# Altium PCB DebugBoardSw.PcbDoc (continued)
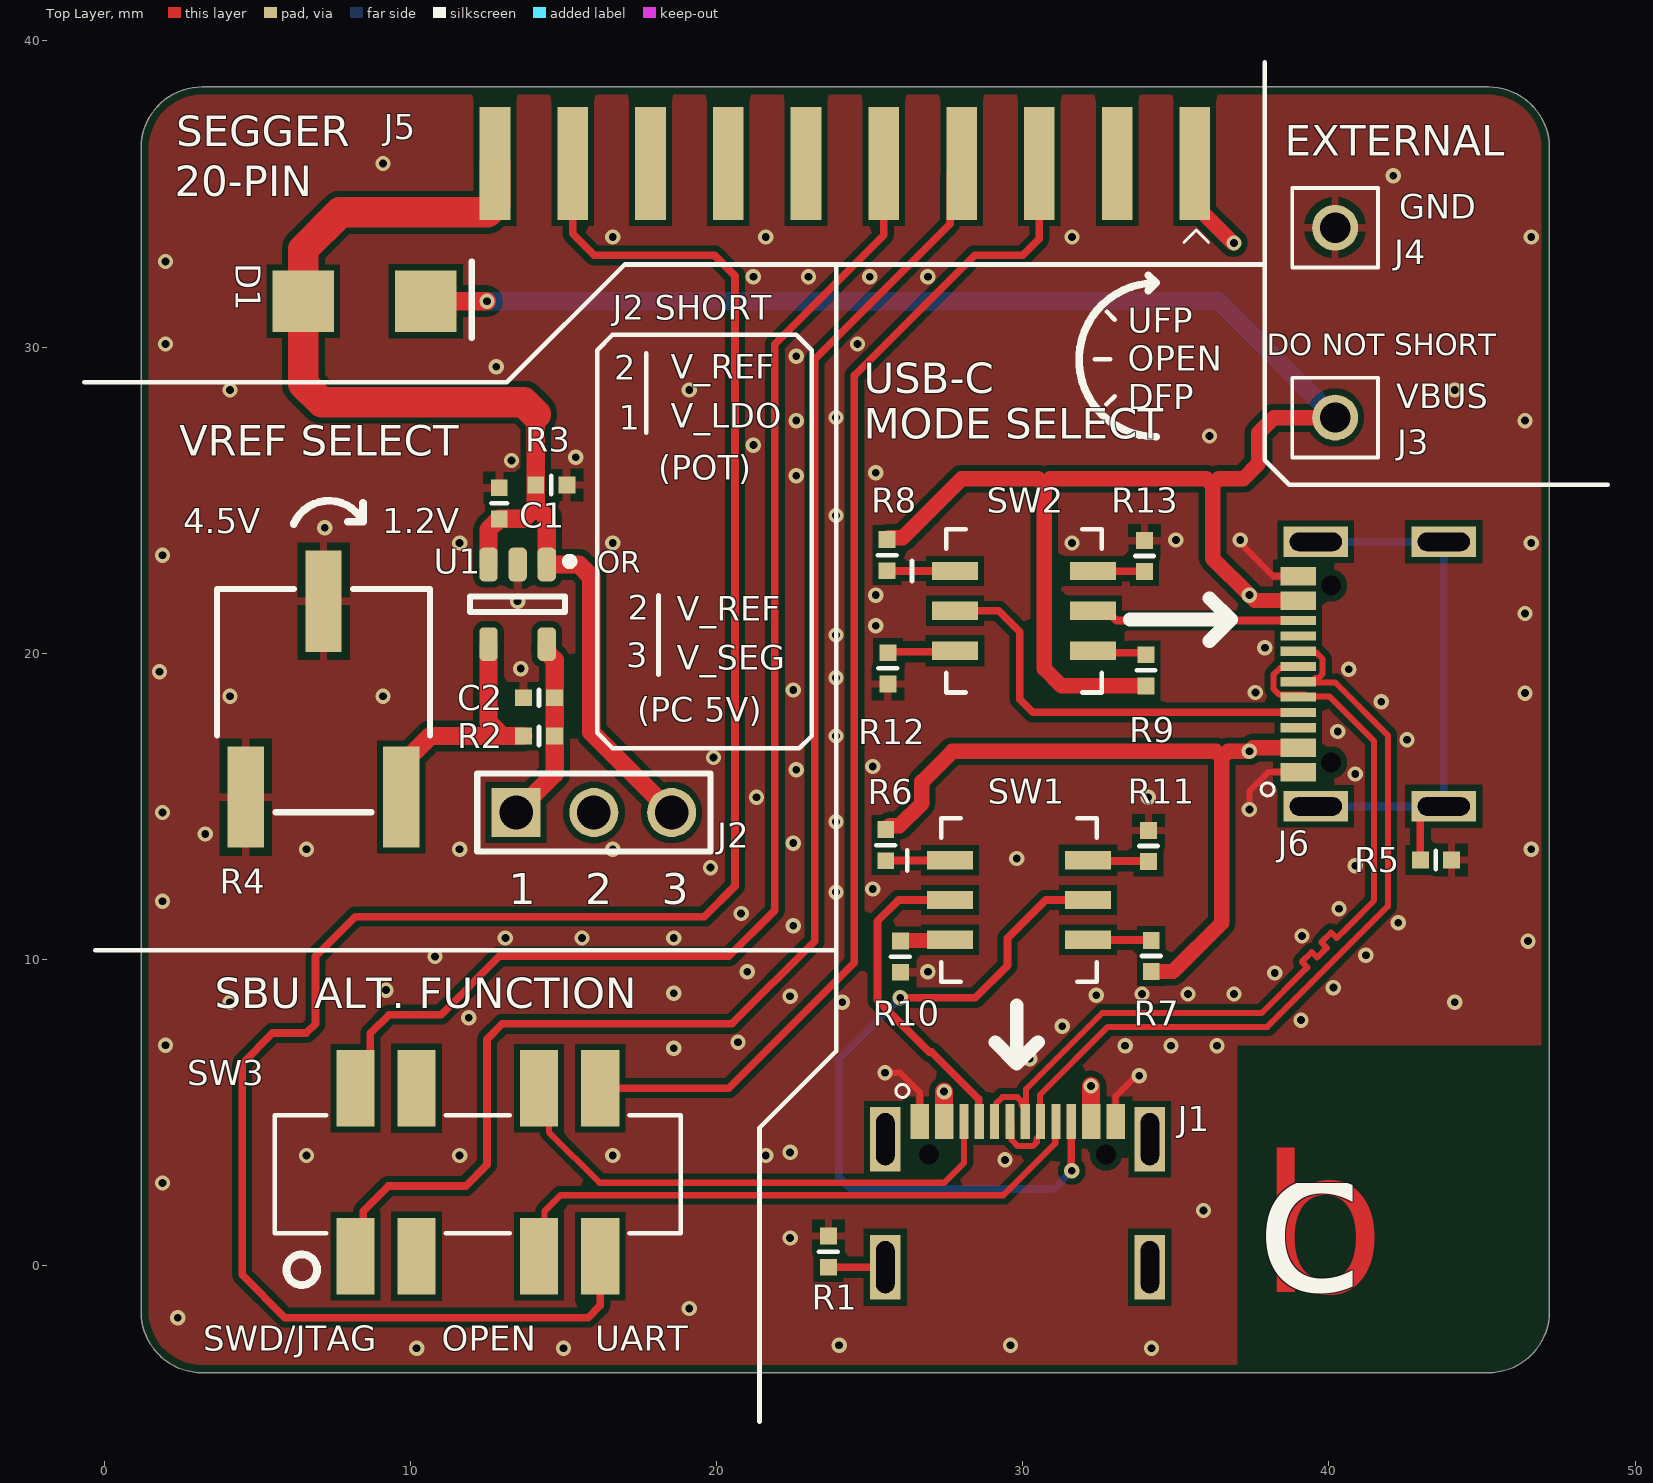
[diagram p0: Top Layer view]
## Footprints (in the part's own frame and the unit in brackets; to place one, negate y for a bottom-side part, rotate by r counter-clockwise, add the part's x,y. Pads: shape width x height; smd on the part's side, far side on the other; paste and mask are expansions set on the pad)
3361P-1-104GLF [mm]
  rect 1.19x3.3 smd paste+0 mask+0: 1(-2.54,-3.2) 2(0,3.2) 3(2.54,-3.2)
  silkscreen extent -3.48,-3.69 3.48,3.6, body extent -3.58,-4.95 3.58,4.95, height 0.25
CAP-0402 [mm]
  rect 0.55x0.55 smd: 1(-0.508,0) 2(0.508,0)
  silkscreen extent 0,-0.25 0,0.25, body extent -0.5,-0.25 0.5,0.25, height 0.5
CONN-USBC-GCT_USB4105 [mm]
  rect 0.6x1.15 smd: A1(-3.2,0) A4(-2.4,0) A9(2.4,0) A12(3.2,0)
  rect 0.3x1.15 smd: A5(-1.25,0) A6(-0.25,0) A7(0.25,0) A8(1.25,0) B5(1.75,0) B6(0.75,0) B7(-0.75,0) B8(-1.75,0)
  rect 1x2.1 hole 0.6 slot 1.7 at 90 deg: ME(-4.32,-4.755) ME(-4.32,-0.575) ME(4.32,-4.755) ME(4.32,-0.575)
  round 0.4 hole 0.65 unplated: ""(-2.89,-1.075) ""(2.89,-1.075)
  silkscreen extent -3.97,0.79 -3.55,1.21, body extent -4.47,-7.35 4.47,0.35, height 3.26
DIODE-SMA2 [mm] "Used for DIODE-ZNR-51V-SMA2"
  rect 2x2 smd: 1(-2,0) 2(2,0)
  silkscreen extent -3.5,-1.3 -3.5,1.21, body extent -2.61,-1.3 2.61,1.3, height 2.2
HDR-V-1X1-M [mm]
  round 1.5 hole 0.99: 1(0,0)
  silkscreen extent -1.4,-1.3 1.4,1.3, body extent -1.27,-1.24 1.27,1.24, height 12.7
HDR-V-1X3 [mm]
  rect 1.6x1.6 hole 1.1: 1(-2.54,0)
  round 1.6 hole 1.1: 2(0,0) 3(2.54,0)
  silkscreen extent -3.81,-1.27 3.81,1.27, body extent -3.81,-1.27 3.81,1.27, height 8.55
HDR-V-2X10-F-2.54MM [mm]
  rect 1x3.7 smd: 1(11.43,-1) 3(8.89,-1) 5(6.35,-1) 7(3.81,-1) 9(1.27,-1) 11(-1.27,-1) 13(-3.81,-1) 15(-6.35,-1) 17(-8.89,-1) 19(-11.43,-1)
  rect 1x3.7 smd far side: 2(11.43,-1) 4(8.89,-1) 6(6.35,-1) 8(3.81,-1) 10(1.27,-1) 12(-1.27,-1) 14(-3.81,-1) 16(-6.35,-1) 18(-8.89,-1) 20(-11.43,-1)
  silkscreen extent 11.08,-3.58 11.88,-3.18, body extent -15.16,-1.8 15.16,9.9, height 3.04
RES-0402 [mm]
  rect 0.55x0.55 smd: 1(-0.508,0) 2(0.508,0)
  silkscreen extent 0,-0.3 0,0.3, body extent -0.58,-0.27 0.57,0.27, height 0.41
SOT-23-5 [mm] "SOT23-5, 5pin, 3mm x 3mm, 0.95 pitch"
  rrect50% 1.1x0.6 smd: 1(-1.3,0.95) 2(-1.3,0) 3(-1.3,-0.95) 4(1.3,-0.95) 5(1.3,0.95)
  silkscreen extent -1.52,-1.55 0.25,1.83, body extent -1.23,-1.5 1.27,1.5, height 1.1
SW-2P3T-SMD [mm]
  rect 2.5x1.245 smd paste+0 mask+0: 1(-0.068,0) 2(-0.068,-2) 3(-0.068,-6) 4(-0.068,-8) 5(5.432,0) 6(5.432,-2) 7(5.432,-6) 8(5.432,-8)
  silkscreen extent -1,-10.63 4.55,2.63, body extent -1.05,-10.5 6.45,2.5, height 5.51
SW-BCD-CS-4-22YTA [mm] "DPDT Rotary Switch"
  rect 1.5x0.6 smd: 1(-2.25,1.3) 2(-2.25,0) 3(-2.25,-1.3) 4(2.25,1.3) 5(2.25,0) 6(2.25,-1.3)
  silkscreen extent -3.66,-2.67 2.54,2.67, body extent -2.6,-2.5 2.6,2.5, height 2.32

## Part data
C1 C2: library part CAP-1uF-10V-0402, "AVX - 0402ZD105KAT2A - SMD Multilayer Ceramic Capacitor, 1 µF, 10 V, 0402 [1005 Metric], ± 10%, X5R, AVX 0402 MLCC", Capacitance=1uF, Case Code (Imperial)=0402, Case Code (Metric)=1005, Dielectric=X5R, Dielectric Material=Ceramic, Manufacturer 1="Kyocera AVX", Max Operating Temperature=85°C, Min Operating Temperature=-55°C, Package Quantity=1, Supplier Part Number 1=478-4596-1-ND, Tolerance=10%, Voltage=10V, Case/Package=0402, Category="Ceramic Capacitors", ComponentLink1Description=https://datasheet.ciiva.com/151/cx5r-151901.pdf?src-supplier=Digi-Key, ComponentLink1URL=https://datasheet.ciiva.com/151/cx5r-151901.pdf?src-supplier=Digi-Key, ComponentLink2Description=https://datasheet.ciiva.com/151/cx5r-151902.pdf?src-supplier=Digi-Key, ComponentLink2URL=https://datasheet.ciiva.com/151/cx5r-151902.pdf?src-supplier=Digi-Key, ComponentLink3Description=https://datasheet.ciiva.com/151/cx5r-151903.pdf?src-supplier=Digi-Key, ComponentLink3URL=https://datasheet.ciiva.com/151/cx5r-151903.pdf?src-supplier=Digi-Key, ComponentLink4Description=https://datasheet.ciiva.com/11464/cx5r-11464568.pdf?src-supplier=Avnet, ComponentLink4URL=https://datasheet.ciiva.com/11464/cx5r-11464568.pdf?src-supplier=Avnet, ComponentLink5Description=https://datasheet.ciiva.com/6159/lt-6159749.pdf?src-supplier=Farnell, ComponentLink5URL=https://datasheet.ciiva.com/6159/lt-6159749.pdf?src-supplier=Farnell, ComponentLink6Description=https://datasheet.ciiva.com/1124/1666675-1124066.pdf?src-supplier=Element14, ComponentLink6URL=https://datasheet.ciiva.com/1124/1666675-1124066.pdf?src-supplier=Element14, ComponentLink7Description=https://datasheet.ciiva.com/1124/1666675-1124067.pdf?src-supplier=Element14, ComponentLink7URL=https://datasheet.ciiva.com/1124/1666675-1124067.pdf?src-supplier=Element14, ComponentLink8Description=https://datasheet.ciiva.com/16448/cx5r-16448997.pdf?src-supplier=Future+Electronics, ComponentLink8URL=https://datasheet.ciiva.com/16448/cx5r-16448997.pdf?src-supplier=Future+Electronics, Construction=Flat, Contact Plating=Tin,Matte, Depth=0.5mm, Height=0.56mm, Lead Free="Lead Free", Lead Pitch=5.08mm, Length=1mm, Manufacturer Part Number 1=0402ZD105KAT2A, Mount="Surface Mount", Packaging="Cut Tape", Pricing 1="1=0.12000, 10=0.08800, 50=0.05000, 100=0.04140, 500=0.02900, 1000=0.02401, 2500=0.02235, 5000=0.02045 (USD)", Radiation Hardening=No, REACH SVHC="No SVHC", RoHS=Yes, RoHS Compliant=Yes, Series=-, Stock 1=2474650, Supplier 1=Digi-Key, Termination=SMD/SMT, Thickness=0.022inch, Voltage Rating=10V, Voltage Rating (DC)=10V, Width=0.02inch
D1: library part DIODE-ZNR-51V-SMA2, "Zener Diode 51 V 1.5 W ±5% Surface Mount SMA", Current - Reverse Leakage @ Vr="500 nA @ 38.8V", Forward Voltage="1.2V @ 200 mA", Manufacturer 1=onsemi, Zener Voltage=51V, Category=Zener, ComponentLink1Description="Supplier Link", ComponentLink1URL=https://www.digikey.com/en/products/detail/onsemi/1SMA5942BT3G/1474755, ComponentLink2Description=Datasheet, ComponentLink2URL=https://www.onsemi.com/pdf/datasheet/1sma5913bt3-d.pdf, Impedance (Max)="70 Ohms", Manufacturer Part Number 1=1SMA5942BT3G, Supplier=Digi-Key
J1 J6: library part CONN-F-USB-C-GCT_USB4105, "Usb Conn, 2.0 Type C, Rcpt, 16Pos, Smt Rohs Compliant: Yes", Manufacturer 1="Global Connector Technology", Manufacturer Part Number 1=USB4105-GF-A, Supplier Part Number 1=86AH2021, Pricing 1="1=0.85100, 10=0.69300, 25=0.63100, 50=0.58700, 100=0.54000 (USD)", RoHS=No, Stock 1=1960, Supplier 1=Newark
J2: library part HDR-V-1X3-M, "Header, 3-Pin, 0.1\"", Colour=Black, Manufacturer="Wurth Electronics", Supplier Part Number 1=732-5316-ND, ComponentLink1Description=http://www.farnell.com/cad/1737268.pdf, ComponentLink1URL=http://www.farnell.com/cad/1737268.pdf, ComponentLink2Description=http://katalog.we-online.de/em/datasheet/6130xx11121.pdf, ComponentLink2URL=http://katalog.we-online.de/em/datasheet/6130xx11121.pdf, Connector Type="Male Pin", Contact Material=Copper, Contact Mating Length=0.236inch, Contact Plating=Gold, Gender=Male, LatestRevisionDate=17-Jul-2002, LatestRevisionNote="Re-released for DXP Platform.", Lead Free="Lead Free", Manufacturer 1="Wurth Electronics", Manufacturer Part Number 1=61300311121, Mount="Through Hole", MPN=61300311121, Number of Contacts=3, Number of Positions=3, Number of Rows=1, Packaging=Bulk, Pitch=0.1inch, Pricing 1="1=0.13, 10=0.106, 25=0.088, 50=0.074, 100=0.067, 1000=0.061 (USD)", Publisher="Altium Limited", REACH SVHC=Unknown, Stock 1=41782, Supplier 1=Digi-Key, Termination=Solder
J3 J4: library part HDR-V-1X1-M, "BergStik®, Board to Board connector, Unshrouded vertical header, through hole, single Row, 1 position, 2.54mm pitch", Color=Black, Current Rating=3A, Insulation Resistance=5GR, Manufacturer 1="Amphenol ICC / FCI", Package Quantity=1000, Supplier Part Number 1=649-75160-101-01LF, Voltage Rating=1.5kV, Category=Connectors, ComponentLink1Description=https://datasheet.ciiva.com/29149/75160-29149349.pdf?src-supplier=Digi-Key, ComponentLink1URL=https://datasheet.ciiva.com/29149/75160-29149349.pdf?src-supplier=Digi-Key, Connector Type="Male Pin", Contact Gender=Male, Contact Material=Bronze, Contact Mating Length=0.225inch, Contact Plating=Gold,GXT, Contact Post Length=2.54mm, Contact Type="Male Pin", Depth=2.8mm, Gender=Male, Housing Color=Black, Housing Material=Thermoplastic, Length=2.54mm, Manufacturer Part Number 1=75160-101-01LF, Mounting Technology="Through Hole", Number of Contacts=1, Number of Positions=1, Number of Rows=1, Orientation=Straight, Packaging=Bulk, Pitch=2.54mm, Pricing 1="1=0.36000, 10=0.27000, 50=0.27000, 100=0.21400, 1000=0.16800, 10000=0.12900 (USD)", Radiation Hardening=No, RoHS=Yes, Series="BERGSTIK®, MezzSelect™, Basics+", Stock 1=4529, Supplier 1=Mouser, Termination=Solder
J5: library part HDR-V-2X10-F-2.54MM, "20 Position Header Connector 0.100\" (2.54mm) Through Hole Gold", Color=Black, Manufacturer 1=Sullins, Package Quantity=1, Supplier Part Number 1=S9197-ND, Category="Headers and Wire Housings", ComponentLink1Description=https://datasheet.ciiva.com/754/sfh11-pxxc-dxx-st-xx11160-c-754558.pdf?src-supplier=Digi-Key, ComponentLink1URL=https://datasheet.ciiva.com/754/sfh11-pxxc-dxx-st-xx11160-c-754558.pdf?src-supplier=Digi-Key, Connector Type=Header, Contact Plating=Gold, Contact Type="Female Socket", Lead Free="Lead Free", Manufacturer Part Number 1=SFH11-PBPC-D10-ST-BK, Mount="Through Hole", Number of Positions=20, Number of Rows=2, Packaging=Tray, Pitch=0.1inch, Pricing 1="1=1.15000, 10=0.96800, 80=0.86925, 440=0.71118, 1000=0.63216, 5000=0.57070 (USD)", RoHS=Yes, RoHS Compliant=Yes, Row Spacing=0.1inch, Series=SFH11, Stock 1=51703, Supplier 1=Digi-Key, Termination=Solder
R1 R5: library part RES-0-0402, "RES 0 OHM JUMPER 1/16W 0402", Manufacturer=Yageo, Max Operating Temperature=155°C, Min Operating Temperature=-55°C, Package Shape=Rectangular, Rated Power Dissipation (P)=62.5mW, Rated Temperature=70°C, Resistance=0R, Resistor Type="FIXED RESISTOR", Supplier Part Number 1=311-0.0LRTR-ND, Tolerance=Jumper, Category="Chip SMD Resistors", ComponentLink1Description=https://datasheet.ciiva.com:443/pdfs/VipMasterIC/IC/YAGO/YAGOS02562/YAGOS02562-1.pdf?src-supplier=IHS+Markit, ComponentLink1URL=https://datasheet.ciiva.com:443/pdfs/VipMasterIC/IC/YAGO/YAGOS02562/YAGOS02562-1.pdf?src-supplier=IHS+Markit, ComponentLink2Description=https://datasheet.ciiva.com/8896/pyu-rc0402-51-rohs-l-6-8896149.pdf?src-supplier=Avnet, ComponentLink2URL=https://datasheet.ciiva.com/8896/pyu-rc0402-51-rohs-l-6-8896149.pdf?src-supplier=Avnet, ComponentLink3Description=https://datasheet.ciiva.com/16790/pyu-rc0402-51-rohs-l-6-r-16790444.pdf?src-supplier=Future+Electronics, ComponentLink3URL=https://datasheet.ciiva.com/16790/pyu-rc0402-51-rohs-l-6-r-16790444.pdf?src-supplier=Future+Electronics, ComponentLink4Description=https://datasheet.ciiva.com/28419/pyu-rc0402-51-rohs-l-6-28419661.pdf?src-supplier=Avnet+Europe, ComponentLink4URL=https://datasheet.ciiva.com/28419/pyu-rc0402-51-rohs-l-6-28419661.pdf?src-supplier=Avnet+Europe, ComponentLink5Description=https://datasheet.ciiva.com/16869/pyu-rc0402-51-rohs-l-6-16869518.pdf?src-supplier=Avnet+Europe, ComponentLink5URL=https://datasheet.ciiva.com/16869/pyu-rc0402-51-rohs-l-6-16869518.pdf?src-supplier=Avnet+Europe, JESD-609 Code=e3, Manufacturer 1=Yageo, Manufacturer Part Number=RC0402FR-070RL, Manufacturer Part Number 1=RC0402FR-070RL, Manufacturer_PN=RC0402FR-070RL, Mount="Surface Mount", Number of Pins=2, Packaging="Tape and Reel", Pricing 1="10000=0.00132, 30000=0.00116, 50000=0.00109 (USD)", REACH SVHC=Yes, RoHS=Yes, RoHS Compliant=Yes, Size Code=0402, Stock 1=2669862, Supplier 1=Digi-Key, Technology="METAL GLAZE/THICK FILM", Terminal Finish=Nickel, Termination=Wraparound
R2: library part RES-10K-0402, "RES SMD 10K OHM 1% 1/16W 0402", Case Code (Imperial)=0402, Case Code (Metric)=1005, Manufacturer 1=Yageo, Max Operating Temperature=155°C, Min Operating Temperature=-55°C, Power Rating=62.5mW, Resistance=10kR, Supplier Part Number 1=311-10.0KLRCT-ND, Temperature Coefficient=100ppm/°C, Tolerance=±1%, Voltage Rating=50V, Case/Package=0402, ComponentLink1Description=https://datasheet.ciiva.com/7660/38568-7660787.pdf?src-supplier=Element14, ComponentLink1URL=https://datasheet.ciiva.com/7660/38568-7660787.pdf?src-supplier=Element14, ComponentLink2Description=https://datasheet.ciiva.com/7849/1784430-7849813.pdf?src-supplier=Element14, ComponentLink2URL=https://datasheet.ciiva.com/7849/1784430-7849813.pdf?src-supplier=Element14, ComponentLink3Description=https://datasheet.ciiva.com/7849/1686128-7849814.pdf?src-supplier=Element14, ComponentLink3URL=https://datasheet.ciiva.com/7849/1686128-7849814.pdf?src-supplier=Element14, ComponentLink4Description=https://datasheet.ciiva.com/7849/1784430-7849815.pdf?src-supplier=Element14, ComponentLink4URL=https://datasheet.ciiva.com/7849/1784430-7849815.pdf?src-supplier=Element14, ComponentLink5Description=https://datasheet.ciiva.com/22747/1018594-22747512.pdf?src-supplier=Element14, ComponentLink5URL=https://datasheet.ciiva.com/22747/1018594-22747512.pdf?src-supplier=Element14, ComponentLink6Description=https://datasheet.ciiva.com/12667/pyu-rc0402-51-rohs-l-6-r-12667067.pdf?src-supplier=Mouser, ComponentLink6URL=https://datasheet.ciiva.com/12667/pyu-rc0402-51-rohs-l-6-r-12667067.pdf?src-supplier=Mouser, ComponentLink7Description=https://datasheet.ciiva.com/7983/1018594-7983486.pdf?src-supplier=Element14, ComponentLink7URL=https://datasheet.ciiva.com/7983/1018594-7983486.pdf?src-supplier=Element14, Composition="Thick Film", Depth=0.5mm, Height=0.32mm, Lead Free="Lead Free", Lead Pitch=0.2mm, Length=1mm, Manufacturer Part Number 1=RC0402FR-0710KL, Military Standard=Not, Number of Pins=2, Number of Terminations=2, Packaging="Tape and Reel", Pricing 1="1=0.10000, 10=0.01500, 100=0.00600, 1000=0.00270, 2500=0.00235, 5000=0.00194 (USD)", REACH SVHC="No SVHC", RoHS=Yes, Stock 1=64327699, Supplier 1=Digi-Key, Termination=SMD/SMT, Voltage Rating (DC)=50V, Width=0.5mm, Working Voltage=50V
R3: library part RES-470K-0402, "RES SMD 470K OHM 1% 1/16W 0402", Case Code (Imperial)=0402, Case Code (Metric)=1005, Manufacturer 1=Yageo, Max Operating Temperature=155°C, Max Power Dissipation=63mW, Min Operating Temperature=-55°C, Package Quantity=1, Power Rating=62.5mW, Resistance=470kR, Resistance Tolerance=1%, Resistor Type="Thick Film", Supplier Part Number 1=311-470KLRCT-ND, Temperature Coefficient=100ppm/°C, Voltage Rating=50V, Case/Package=0402, Category="Chip SMD Resistors", ComponentLink1Description=https://datasheet.ciiva.com/11819/0900766b80c66297-11819514.pdf?src-supplier=RSComponents, ComponentLink1URL=https://datasheet.ciiva.com/11819/0900766b80c66297-11819514.pdf?src-supplier=RSComponents, ComponentLink2Description=https://datasheet.ciiva.com/2453/pyu-r-int-thick-7-2453433.pdf?src-supplier=Digi-Key, ComponentLink2URL=https://datasheet.ciiva.com/2453/pyu-r-int-thick-7-2453433.pdf?src-supplier=Digi-Key, ComponentLink3Description=https://datasheet.ciiva.com/2453/pyu-r-int-thick-7-2453434.pdf?src-supplier=Digi-Key, ComponentLink3URL=https://datasheet.ciiva.com/2453/pyu-r-int-thick-7-2453434.pdf?src-supplier=Digi-Key, ComponentLink4Description=https://datasheet.ciiva.com/2453/pyu-r-int-thick-7-2453435.pdf?src-supplier=Digi-Key, ComponentLink4URL=https://datasheet.ciiva.com/2453/pyu-r-int-thick-7-2453435.pdf?src-supplier=Digi-Key, ComponentLink5Description=https://datasheet.ciiva.com/15189/getdatasheetpartid-325138-15189462.pdf?src-supplier=Verical, ComponentLink5URL=https://datasheet.ciiva.com/15189/getdatasheetpartid-325138-15189462.pdf?src-supplier=Verical, ComponentLink6Description=https://datasheet.ciiva.com/46412/1018594-46412837.pdf?src-supplier=Element14, ComponentLink6URL=https://datasheet.ciiva.com/46412/1018594-46412837.pdf?src-supplier=Element14, ComponentLink7Description=https://datasheet.ciiva.com/7850/1018594-7850012.pdf?src-supplier=Element14, ComponentLink7URL=https://datasheet.ciiva.com/7850/1018594-7850012.pdf?src-supplier=Element14, ComponentLink8Description=https://datasheet.ciiva.com/7850/1018594-7850013.pdf?src-supplier=Element14, ComponentLink8URL=https://datasheet.ciiva.com/7850/1018594-7850013.pdf?src-supplier=Element14, Construction=Rectangular, Depth=0.5mm, Features="Moisture Resistant", Height=0.016inch, Lead Free="Lead Free", Length=1mm, Manufacturer Part Number 1=RC0402FR-07470KL, Military Standard=Not, Number of Pins=2, Number of Terminations=2, Packaging="Tape and Reel", Pricing 1="1=0.10000, 10=0.01600, 100=0.00660, 1000=0.00299, 2500=0.00259, 5000=0.00214 (USD)", REACH SVHC="No SVHC", RoHS=Yes, RoHS Compliant=Yes, Series=RC, Size Code=0402, Stock 1=112236, Supplier 1=Digi-Key, Technology="THICK FILM", Termination=SMD/SMT, Tolerance=1%, Voltage Rating (DC)=50V, Width=0.02inch
R4: "TRIMMER 100K OHM 0.5W GW TOP ADJ", Manufacturer 1="Bourns Inc.", Manufacturer Part Number 1=3361P-1-104GLF, ComponentLink1Description=Datasheet, ComponentLink1URL=https://www.bourns.com/docs/Product-Datasheets/3361.pdf
R6 R7 R8 R9: library part RES-56K-0402-5%, "RES SMD 56K OHM 5% 1/10W 0402", Case Code (Imperial)=0402, Case Code (Metric)=1005, Manufacturer=Panasonic, Max Operating Temperature=155°C, Max Power Dissipation=100mW, Min Operating Temperature=-55°C, Package Quantity=10000, Resistance=56kR, Supplier Part Number 1=P56KJCT-ND, Temperature Coefficient=200ppm/°C, Tolerance=±5%, Voltage Rating=50V, Case/Package=0402, ComponentLink1Description=https://datasheet.ciiva.com/11821/0900766b80f806dd-11821353.pdf?src-supplier=RSComponents, ComponentLink1URL=https://datasheet.ciiva.com/11821/0900766b80f806dd-11821353.pdf?src-supplier=RSComponents, ComponentLink2Description=https://datasheet.ciiva.com/46377/1500035-46377371.pdf?src-supplier=Element14, ComponentLink2URL=https://datasheet.ciiva.com/46377/1500035-46377371.pdf?src-supplier=Element14, ComponentLink3Description=https://datasheet.ciiva.com/46389/1500035-46389069.pdf?src-supplier=Element14, ComponentLink3URL=https://datasheet.ciiva.com/46389/1500035-46389069.pdf?src-supplier=Element14, ComponentLink4Description=https://datasheet.ciiva.com/30184/4aoa0000ce1-30184118.pdf?src-supplier=Onlinecomponents.com, ComponentLink4URL=https://datasheet.ciiva.com/30184/4aoa0000ce1-30184118.pdf?src-supplier=Onlinecomponents.com, ComponentLink5Description=https://datasheet.ciiva.com/24159/aoa0000ce1-37422-24159031.pdf?src-supplier=Mouser, ComponentLink5URL=https://datasheet.ciiva.com/24159/aoa0000ce1-37422-24159031.pdf?src-supplier=Mouser, ComponentLink6Description=https://datasheet.ciiva.com/9188/aoa0000ce1-9188716.pdf?src-supplier=Avnet, ComponentLink6URL=https://datasheet.ciiva.com/9188/aoa0000ce1-9188716.pdf?src-supplier=Avnet, ComponentLink7Description=https://datasheet.ciiva.com/16769/70260739-16769566.pdf?src-supplier=Allied+Electronics, ComponentLink7URL=https://datasheet.ciiva.com/16769/70260739-16769566.pdf?src-supplier=Allied+Electronics, ComponentLink8Description=https://datasheet.ciiva.com/43460/1500035-43460399.pdf?src-supplier=Farnell, ComponentLink8URL=https://datasheet.ciiva.com/43460/1500035-43460399.pdf?src-supplier=Farnell, Composition="Thick Film", Contact Plating=Tin, Depth=0.5mm, Height=0.35mm, Lead Free="Lead Free", Length=1mm, Manufacturer Part Number=ERJ2GEJ563X, Military Standard=Not, Mount="Surface Mount", Number of Terminations=2, Packaging="Tape and Reel", Power Rating=100mW, Pricing 1="1 = 0.10000, 10 = 0.03100, 100 = 0.01250, 1000 = 0.00560, 2500 = 0.00486, 5000 = 0.00401 (USD)", REACH SVHC="No SVHC", RoHS=Yes, Stock 1=167786, Supplier 1=Digi-Key, Termination=SMD/SMT, Voltage Rating (DC)=50V, Weight=2.8E-05oz, Width=0.5mm
R10 R11 R12 R13: library part RES-5.1K-0402, "RES SMD 5.1K OHM 5% 1/10W 0402", Case Code (Imperial)=0402, Case Code (Metric)=1005, Manufacturer 1=Panasonic, Max Operating Temperature=155°C, Max Power Dissipation=100mW, Min Operating Temperature=-55°C, Package Quantity=1, Resistance=5.1kR, Supplier Part Number 1=P5.1KJCT-ND, Temperature Coefficient=200ppm/°C, Tolerance=±5%, Voltage Rating=50V, Case/Package=0402, ComponentLink1Description=https://datasheet.ciiva.com/11821/0900766b80f806dd-11821350.pdf?src-supplier=RSComponents, ComponentLink1URL=https://datasheet.ciiva.com/11821/0900766b80f806dd-11821350.pdf?src-supplier=RSComponents, ComponentLink2Description=https://datasheet.ciiva.com/9195/aoa0000ce1-9195574.pdf?src-supplier=Avnet, ComponentLink2URL=https://datasheet.ciiva.com/9195/aoa0000ce1-9195574.pdf?src-supplier=Avnet, ComponentLink3Description=https://datasheet.ciiva.com/16768/70260739-16768840.pdf?src-supplier=Allied+Electronics, ComponentLink3URL=https://datasheet.ciiva.com/16768/70260739-16768840.pdf?src-supplier=Allied+Electronics, ComponentLink4Description=https://datasheet.ciiva.com/46377/1500035-46377372.pdf?src-supplier=Element14, ComponentLink4URL=https://datasheet.ciiva.com/46377/1500035-46377372.pdf?src-supplier=Element14, ComponentLink5Description=https://datasheet.ciiva.com/46389/1500035-46389068.pdf?src-supplier=Element14, ComponentLink5URL=https://datasheet.ciiva.com/46389/1500035-46389068.pdf?src-supplier=Element14, ComponentLink6Description=https://datasheet.ciiva.com/30141/4aoa0000ce1-30141421.pdf?src-supplier=Onlinecomponents.com, ComponentLink6URL=https://datasheet.ciiva.com/30141/4aoa0000ce1-30141421.pdf?src-supplier=Onlinecomponents.com, Composition="Thick Film", Contact Plating=Tin, Depth=0.5mm, Height=0.35mm, Lead Free="Lead Free", Length=1mm, Manufacturer Part Number 1=ERJ2GEJ512X, Military Standard=Not, Mount="Surface Mount", Number of Terminations=2, Packaging="Tape and Reel", Power Rating=100mW, Pricing 1="1 = 0.10000, 10 = 0.03600, 100 = 0.01480, 1000 = 0.00665, 2500 = 0.00577, 5000 = 0.00477 (USD)", Radiation Hardening=No, REACH SVHC="No SVHC", RoHS=Yes, Stock 1=1595873, Supplier 1=Digi-Key, Termination=SMD/SMT, Voltage Rating (DC)=50V, Width=0.02inch
SW1 SW2: library part SW-DPDT-3P-ROTARY, "SWITCH ROTARY DIP DPDT 100MA 16V", Current Rating=100mA, Manufacturer="Nidec Copal", Max Operating Temperature=70°C, Max Voltage Rating (DC)=16V, Min Operating Temperature=-25°C, Supplier Part Number 1=563-1039-1-ND, ComponentLink1Description=https://datasheet.ciiva.com/2863/cs-4-2863719.pdf, ComponentLink1URL=https://datasheet.ciiva.com/2863/cs-4-2863719.pdf, ComponentLink2Description=https://datasheet.ciiva.com/2863/cs-4-2863720.pdf, ComponentLink2URL=https://datasheet.ciiva.com/2863/cs-4-2863720.pdf, ComponentLink3Description=https://datasheet.ciiva.com/2863/cs-4-2863721.pdf, ComponentLink3URL=https://datasheet.ciiva.com/2863/cs-4-2863721.pdf, Contact Material="Copper Alloy", Contact Plating=Gold, Electrical Life=200Cycles, Height=2.3mm, Lead Free="Lead Free", Length=0.197inch, Manufacturer 1="Nidec Copal", Manufacturer Part Number 1=CS-4-22YTA, Max Current Rating=100mA, Mount="Surface Mount", MPN=CS-4-22YTA, Number of Positions=2, Orientation=Vertical, Packaging="Tape and Reel", Pitch=0.051inch, Stock 1=0, Supplier 1=Digi-Key, Termination=J-Hook, Throw Configuration=DPDT, Voltage Rating (DC)=16V, Washable=Yes, Width=4.5mm
SW3: library part SW-2P3T-SMD, "SWITCH SLIDE DP3T 300MA 6V", Manufacturer 1=C&K, ComponentLink1Description="Supplier Link", ComponentLink1URL=https://www.digikey.com/en/products/detail/c-k/JS203011SCQN/7056055, ComponentLink2Description=Datasheet, ComponentLink2URL=https://www.ckswitches.com/media/1422/js.pdf, Manufacturer Part Number 1=JS203011SCQN, Supplier=Digi-Key
U1: library part IC-PWR-LDO-RT9043GB, "IC REG LINEAR 3.3V 400mA SOT23-5", Manufacturer 1="Richtek USA Inc.", ComponentLink1Description=Datasheet, ComponentLink1URL=https://datasheet.ciiva.com/2046/3d3futf-83fb3frfm5mdqzltaylnbkzg3d3d3f3d-2046897.pdf?src-supplier=Digikey, Manufacturer Part Number 1=RT9043GB

## Via types
v1: diameter 0.5, hole 0.254, Top Layer to Bottom Layer, tented both sides, 91 vias
v2: diameter 0.5/0.5/0.5/0.5 (per signal layer), hole 0.254, Top Layer to Bottom Layer, tented both sides, 46 vias

## Nets (pads, with @x,y where several pads share a name; then routed paths per layer and width w, separated by ;. In a path a pad name is that pad's centre, name@x,y a point inside that pad or via, vN(x,y) a via of type N, cw(c..) or ccw(c..) an arc to the next point about the centre after c; other vN are vias at no path point)
D_N: J1.A7 J1.B7 J6.A7 J6.B7 | length 28.4
  Top Layer w0.197: J1.B7 29.132,4.757 29.132,5.3 29.337,5.505 29.823,5.505 29.955,5.373 29.955,5.255 J1.A7@30.105,5.105 ; J1.A7@30.105,4.73 J1.A7@30.105,5.105 ; J6.A7 38.943,19.518 38.4,19.518 38.195,19.313 38.195,18.827 38.363,18.658 J6.B7@39.22,18.658 ; J6.B7@39.22,18.595 40.014,18.595 41.475,17.134 41.475,11.925 40.609,11.059 40.25,10.701 40.07,10.88 39.752,10.562 39.931,10.382 39.613,10.063 39.433,10.243 39.115,9.924 39.294,9.745 39.225,9.675 37.8,8.251 32.594,8.251 30.105,5.762 J1.A7@30.105,5.105
D_P: J1.A6 J1.B6 J6.A6 J6.B6 | length 28.5
  Top Layer w0.197: J1.A6 29.632,4.653 29.632,4.11 29.837,3.905 30.323,3.905 30.455,4.037 30.455,4.155 30.555,4.255 J1.B6@30.555,4.543 ; J1.B6 30.555,4.73 30.555,5.575 32.78,7.8 37.987,7.8 41.925,11.739 41.925,17.321 40.201,19.045 39.02,19.045 J6.A6 39.42,19.07 39.545,19.195 39.663,19.195 39.795,19.327 39.795,19.813 39.59,20.018 39.047,20.018 J6.B6
GND: C1.1 C2.1 J1.A1 J1.A12 J4.1 J5.4 J5.6 J5.8 J5.10 J5.12 J5.14 J5.16 J5.18 J5.20 J6.A1 J6.A12 R1.1 R3.2 R4.1 R4.2 R5.1 R10.1 R11.1 R12.1 R13.1 U1.2 | length 9.1
  Top Layer w0.204: v1(25.5,6.3) 26,6.3 26.63,5.67 J1.A1 ; J1.A12 33.03,5.53 33.7,6.2 v1(33.8,6.2) ; v1(37.1,23.7) 37.1,23.62 37.257,23.463 37.257,23.443 38.18,22.52 J6.A12 ; v1(37.4,14.9) 37.4,15.5 38.02,16.12 J6.A1
  other v1: 22.4,0.9 29.415,3.455 22.4,3.7 30.226,6.76 18.6,7.1 33.341,7.18 34.841,7.18 36.341,7.18 20.7,7.3 31.287,7.821 39.084,8.02 11.9,8.1 22.4,8.8 32.395,8.831 33.895,8.871 35.395,8.871 36.895,8.871 18.6,8.9 9.2,9 40.144,9.08 38.229,9.557 21,9.6 26.9,9.6 10.8,10.1 41.205,10.141 13.1,10.7 15.6,10.7 18.6,10.7 39.118,10.764 22.5,11.1 42.266,11.202 20.8,11.5 40.326,11.654 23.9,12.2 25.1,12.3 19.8,13 40.854,13.058 29.8,13.3 22.5,13.8 3.3,14.1 23.9,14.5 21.3,15.3 34.1,15.3 40.854,16.058 22.6,16.2 25.1,16.3 19.9,16.6 42.546,17.175 23.9,17.3 40.286,17.446 41.705,18.418 37.596,18.717 22.5,18.8 23.9,19.2 40.645,19.479 13.6,19.5 37.906,20.185 23.9,20.6 25.2,20.9 13.5,21.7 25.2,21.9 35,23.7 7.2,24.1 23.9,24.5 22.6,25.8 25.2,25.9 13.3,26.3 15.4,26.4 21.2,26.8 36.1,27.1 22.6,27.6 23.9,27.7 22.6,29.7 24.6,30.1 21.2,32.3 23,32.3 25,32.3 26.9,32.3 42.1,35.6
  other v2: 10.2,-2.7 15,-2.7 34.2,-2.7 24,-2.6 29.6,-2.6 2.4,-1.7 19.105,-1.4 35.9,1.8 1.9,2.7 6.605,3.6 11.605,3.6 16.605,3.6 21.605,3.6 2,7.2 4.105,8.6 24.105,8.6 44.105,8.6 46.5,10.6 1.9,11.9 6.605,13.6 11.605,13.6 16.605,13.6 46.605,13.6 1.9,14.8 4.105,18.6 9.105,18.6 46.4,18.7 1.8,19.4 46.4,21.3 1.9,23.2 11.605,23.6 16.605,23.6 31.605,23.6 46.605,23.6 46.4,27.6 4.105,28.6 19.105,28.6 44.105,28.6 12.805,29.36 2,30.1 2,32.8 16.605,33.6 21.605,33.6 31.605,33.6 46.605,33.6 9.1,36
MAIN_CC1: J1.A5 SW1.2 | length 10.6
  Top Layer w0.254: SW1.2 25.942,11.942 25.25,11.25 25.25,8.678 26.954,6.974 27.026,6.974 28.561,5.439 28.561,4.724 J1.A5
MAIN_CC2: J1.B5 SW1.5 | length 24.3
  Top Layer w0.254: v1(26,8.75) 28.45,8.75 29.5,9.8 29.5,10.693 30.749,11.942 SW1.5 ; J1.B5 31.58,3.12 v1(31.6,3.1)
  Bottom Layer w0.254: v1(26,8.75) 24,6.75 24,2.9 24.4,2.5 31,2.5 v1(31.6,3.1)
NetJ1_ME: J1.ME R1.2 | length 18.9
  Top Layer w0.254: R1.2 J1.ME@25.51,-0.05
  Ground 1 w0.254: J1.ME@25.51,4.13 25.51,-0.05 34.15,-0.05 J1.ME@34.15,4.13
NetJ6_ME: J6.ME R5.2 | length 19.3
  Top Layer w0.254: R5.2 42.984,14.627 43.357,15 J6.ME@43.75,15
  Bottom Layer w0.254: J6.ME@39.57,15 43.75,15 43.75,23.64 J6.ME@39.57,23.64
NetR2_1: R2.1 R4.3 U1.4 | length 8.6
  Top Layer w0.6: R4.3 9.7,16.355 10.645,17.3 13,17.3 ; U1.4 12.55,17.75 13,17.3 ; R2.1 13,17.3
NetR6_2: R6.2 SW1.1 | length 2.1
  Top Layer w0.254: R6.2 25.531,13.234 27.62,13.234 SW1.1
NetR7_2: R7.2 SW1.6 | length 2.1
  Top Layer w0.254: SW1.6 32.139,10.632 34.186,10.632 R7.2
NetR8_2: R8.2 SW2.1 | length 2.2
  Top Layer w0.254: R8.2 25.571,22.692 27.784,22.692 SW2.1
NetR9_2: R9.2 SW2.6 | length 1.8
  Top Layer w0.254: SW2.6 32.355,20.02 33.958,20.02 R9.2
NetR10_2: R10.2 SW1.3 | length 1.6
  Top Layer w0.5: R10.2 26.021,10.621 27.607,10.621 SW1.3
NetR11_2: R11.2 SW1.4 | length 2
  Top Layer w0.254: SW1.4 32.15,13.221 34.086,13.221 R11.2
NetR12_2: R12.2 SW2.3 | length 2.2
  Top Layer w0.254: R12.2 25.629,20.052 27.752,20.052 SW2.3
NetR13_2: R13.2 SW2.4 | length 1.7
  Top Layer w0.254: SW2.4 32.296,22.679 33.966,22.679 R13.2
SBU1: J1.A8 SW3.3 | length 19.9
  Top Layer w0.204: SW3.3 14.378,0.478 14.378,1.778 14.9,2.3 29.365,2.3 31.059,3.994 31.059,4.684 J1.A8
SBU2: J1.B8 SW3.7 | length 17.4
  Top Layer w0.204: SW3.7 14.521,5.479 14.521,4.363 16.176,2.708 27.427,2.708 28.081,3.363 J1.B8@28.081,4.704
SECOND_CC1: J6.A5 SW2.2 | length 13.9
  Top Layer w0.25: SW2.2 29.212,21.388 29.9,20.7 29.9,18.5 30.33,18.07 J6.A5
SECOND_CC2: J6.B5 SW2.5 | length 6.8
  Top Layer w0.254: SW2.5 32.738,21.388 33.056,21.07 J6.B5
SWCLK/TCLK: J5.9 SW3.5 | length 42.7
  Top Layer w0.25: SW3.5 8.688,6.288 8.688,7.588 9.3,8.2 11,8.2 12.9,10.1 20.4,10.1 21.9,11.6 21.9,30.1 25.46,33.66 J5.9
SWDIO/TMS: J5.7 SW3.1 | length 49.8
  Top Layer w0.25: SW3.1 8.453,0.552 8.453,1.778 9.274,2.6 11.8,2.6 12.5,3.3 12.5,7.4 13,7.9 20.5,7.9 23.2,10.6 23.2,29.6 27.625,34.025 27.625,35.625 J5.7
UART_RX: J5.17 SW3.4 | length 68.8
  Top Layer w0.25: J5.17 15.3,33.7 16,33 19.929,33 20.6,32.329 20.6,12.4 19.6,11.4 8.2,11.4 6.9,10.1 6.9,7.9 6.6,7.6 5.5,7.6 4.5,6.6 4.5,-0.3 5.9,-1.7 15.8,-1.7 16.2,-1.3 SW3.4
UART_TX: J5.5 SW3.8 | length 39.5
  Top Layer w0.25: SW3.8 20.4,5.8 24.5,9.9 24.5,29.073 28.427,33 30,33 30.54,33.54 J5.5
V_DUTVREF: J2.2 J5.1 | length 31.8
  Top Layer w0.25: J5.1@35.62,34.65 J5.1 ; v1@36.87,33.4 v1(36.9,33.4)
  Top Layer w0.5: J5.1@35.62,34.65 v1@36.87,33.4
  Ground 2 w1: J2.2 34.59,33.4 v1(36.9,33.4)
V_FAKEVREF: C2.2 J2.1 R2.2 U1.5 | length 6.1
  Top Layer w0.6: J2.1 14.708,16.058 R2.2 C2.2 14.708,19.78 14.45,20.038 U1.5
VBUS: D1.1 J1.A4 J1.A9 J3.1 J6.A4 J6.A9 R6.1 R7.1 R8.1 R9.1 | length 89.5
  Top Layer w0.5: R6.1 25.653,14.372 25.972,14.372 26.7,15.1 26.7,15.8 27.7,16.8 36.3,16.8 36.5,16.6 ; R8.1 25.626,23.771 26.071,23.771 28,25.7 30.5,25.7 30.7,25.5 ; R9.1 31.263,18.937 30.7,19.5 30.7,25.5 ; R7.1 34.905,9.605 36.5,11.2 36.5,16.6 ; J6.A4 37.52,16.92 v1(37.4,16.8) 36.7,16.8 36.5,16.6 ; J6.A9 38.991,21.724 37.576,21.724 v1(37.4,21.9) 36.2,23.1 36.2,25.5 ; J3.1 40.189,27.689 38.189,27.689 37.7,27.2 37.7,26.2 37.2,25.7 36.4,25.7 36.2,25.5 ; 30.7,25.5 30.9,25.7 36,25.7 36.2,25.5
  Top Layer w0.59: J1.A4 v1(27.43,5.685) ; J1.A9 v1(32.23,5.87)
  Top Layer w0.6: D1.1 v1(12.5,31.5)
  Bottom Layer w0.6: v1(12.5,31.5) 36.4,31.5 J3.1
VSRC_SEGGER: C1.2 D1.2 J2.3 J5.19 R3.1 U1.1 U1.3 | length 39.1
  Top Layer w0.6: U1.3 12.55,24.042 C1.2 13.692,24.392 14.092,24.792 ; 14.092,27.808 14.092,25.6 14.092,24.792 ; J2.3 15.9,17.43 15.9,22.5 15.5,22.9 14.8,22.9 U1.1 14.45,24.434 14.092,24.792
  Top Layer w1: J5.19 12.76,34.65 12.51,34.4 7.7,34.4 6.5,33.2 D1.2 6.5,28.8 7.1,28.2 13.7,28.2 14.092,27.808
pads on no net: J1. J5.2 J5.3 J5.11 J5.13 J5.15 J6. J6.A8 J6.B8 SW3.2 SW3.6

## Polygon pours and split planes (outlines as drawn)
GND on Bottom Layer "GND_L04_P035" (solid, remove dead copper, pour order 35): -11.895,-10.7 54.219,-10.7 54.219,58.1 -11.895,58.1
VBUS on Bottom Layer "Bottom Layer-VBUS" (solid, remove dead copper, pour order 31): 37.204,16.31 39.304,16.31 39.304,22.11 37.204,22.11 37.204,19.3 29.3,19.3 27.05,19.3 27.05,6.2 27,6.2 27,4.1 32.8,4.1 32.8,6.2 29.3,6.2 29.3,16.6 37.204,16.6
GND on Ground 2 "GND_L03_P034" (solid, remove dead copper, pour order 34): -10.714,-10.9 55.4,-10.9 55.4,57.9 -10.714,57.9
GND on Ground 1 "GND_L02_P033" (solid, remove dead copper, pour order 33): -10.712,-12.012 55.403,-12.012 55.403,56.788 -10.712,56.788
GND on Top Layer "GND_L01_P032" (solid, remove dead copper, pour order 32): -11.599,-9.877 54.515,-9.877 54.515,58.923 -11.599,58.923

## Other copper
Top Layer:
  pour cut-out: 47.078,-4.13 47.078,7.2 37,7.2 37,-4.135
  text "b" at 37.7,-2.7 h9.65

## Silkscreen, mask and mechanical layers (free items; w line width, h text height)
Top Overlay:
  lines w0.15: -0.65,28.85 13.15,28.85 17,32.7 24.8,32.7 37.9,32.7 ; -0.3,10.3 23.9,10.3 ; 17.7,27.2 17.7,29.8 ; 18.1,19.3 18.1,21.9 ; 21.4,-5.1 21.4,0.8 21.4,4.5 23.9,7 23.9,32.7 ; 32.35,29.6 32.85,29.6 ; 32.733,28.133 33,28.4 ; 32.75,31.15 33,30.9 ; 37.9,29.8 37.9,39.3 ; 37.9,29.9 37.9,26.3 38.7,25.5 49.1,25.5 ; 16.1,17.4 16.1,18.5 16.1,28.9 16.1,29.9 16.6,30.4 17.6,30.4 21.5,30.4 22.6,30.4 23.1,29.9 23.1,29 23.1,18.5 23.1,17.3 22.7,16.9 21.5,16.9 17.6,16.9 16.6,16.9 16.1,17.4 ; 19.7,13.55 19.7,13.55
  lines w0.254: 6.186,24.222 cw(c7.336,23.732) 8.45,24.3 ; 7.95,24.3 8.45,24.3 ; 8.45,24.907 8.45,24.3 ; 34.1,31.85 34.35,32.1 ; 34.1,32.35 34.35,32.1 ; 34.35,27.075 cw(c34.35,29.588) 34.35,32.1
  lines w0.45: 29.1,7.3 29.8,6.6 ; 29.8,8.5 29.8,6.6 ; 30.5,7.3 29.8,6.6 ; 33.5,21.1 36.8,21.1 ; 36.1,20.4 36.8,21.1 ; 36.1,21.8 36.8,21.1 ; 29.8,6.6 29.8,6.6 ; 29.8,6.6 29.8,6.6
  text "SEGGER" at 2.354,36.554 h1
  text "EXTERNAL" at 38.554,36.254 h1
  text "20-PIN" at 2.307,34.921 h1
  text "GND" at 42.3,34.2 h0.8
  text "J2 SHORT" at 16.6,30.9 h0.8
  text "UFP" at 33.427,30.477 h0.81
  text "DO NOT SHORT" at 37.975,29.5 h1.2
  text "OPEN" at 33.427,29.227 h0.81
  text "V_REF" at 18.5,28.967 h0.8
  text "2" at 16.65,28.931 h0.8
  text "VBUS" at 42.2,28 h0.8
  text "DFP" at 33.427,27.977 h0.81
  text "V_LDO" at 18.5,27.367 h0.8
  text "1" at 16.8,27.3 h0.8
  text "USB-C / MODE SELECT" at 24.8,27 h1
  text "VREF SELECT" at 2.454,26.454 h1
  text "(POT)" at 18.1,25.667 h0.8
  text "4.5V" at 2.577,23.927 h0.81
  text "1.2V" at 9.077,23.927 h0.81
  text "OR" at 16.1,22.4 h1.2
  text "2" at 17.1,21.1 h0.8
  text "V_REF" at 18.7,21.067 h0.8
  text "3" at 17.05,19.55 h0.8
  text "V_SEG" at 18.7,19.467 h0.8
  text "(PC 5V)" at 17.4,17.767 h0.8
  text "1" at 13.204,11.804 h1.02
  text "2" at 15.704,11.804 h1.02
  text "3" at 18.204,11.804 h1.02
  text "SBU ALT. FUNCTION" at 3.604,8.404 h1
  text "c" at 37.592,-2.524 h9
  text "SWD/JTAG" at 3.227,-2.773 h0.81
  text "OPEN" at 11.027,-2.773 h0.81
  text "UART" at 16.027,-2.773 h0.81
Board Outline:
  the board outline again, w0.254